# Altium PCB PCB SOM AM625.PcbDoc (part 4 of 6) (continued)
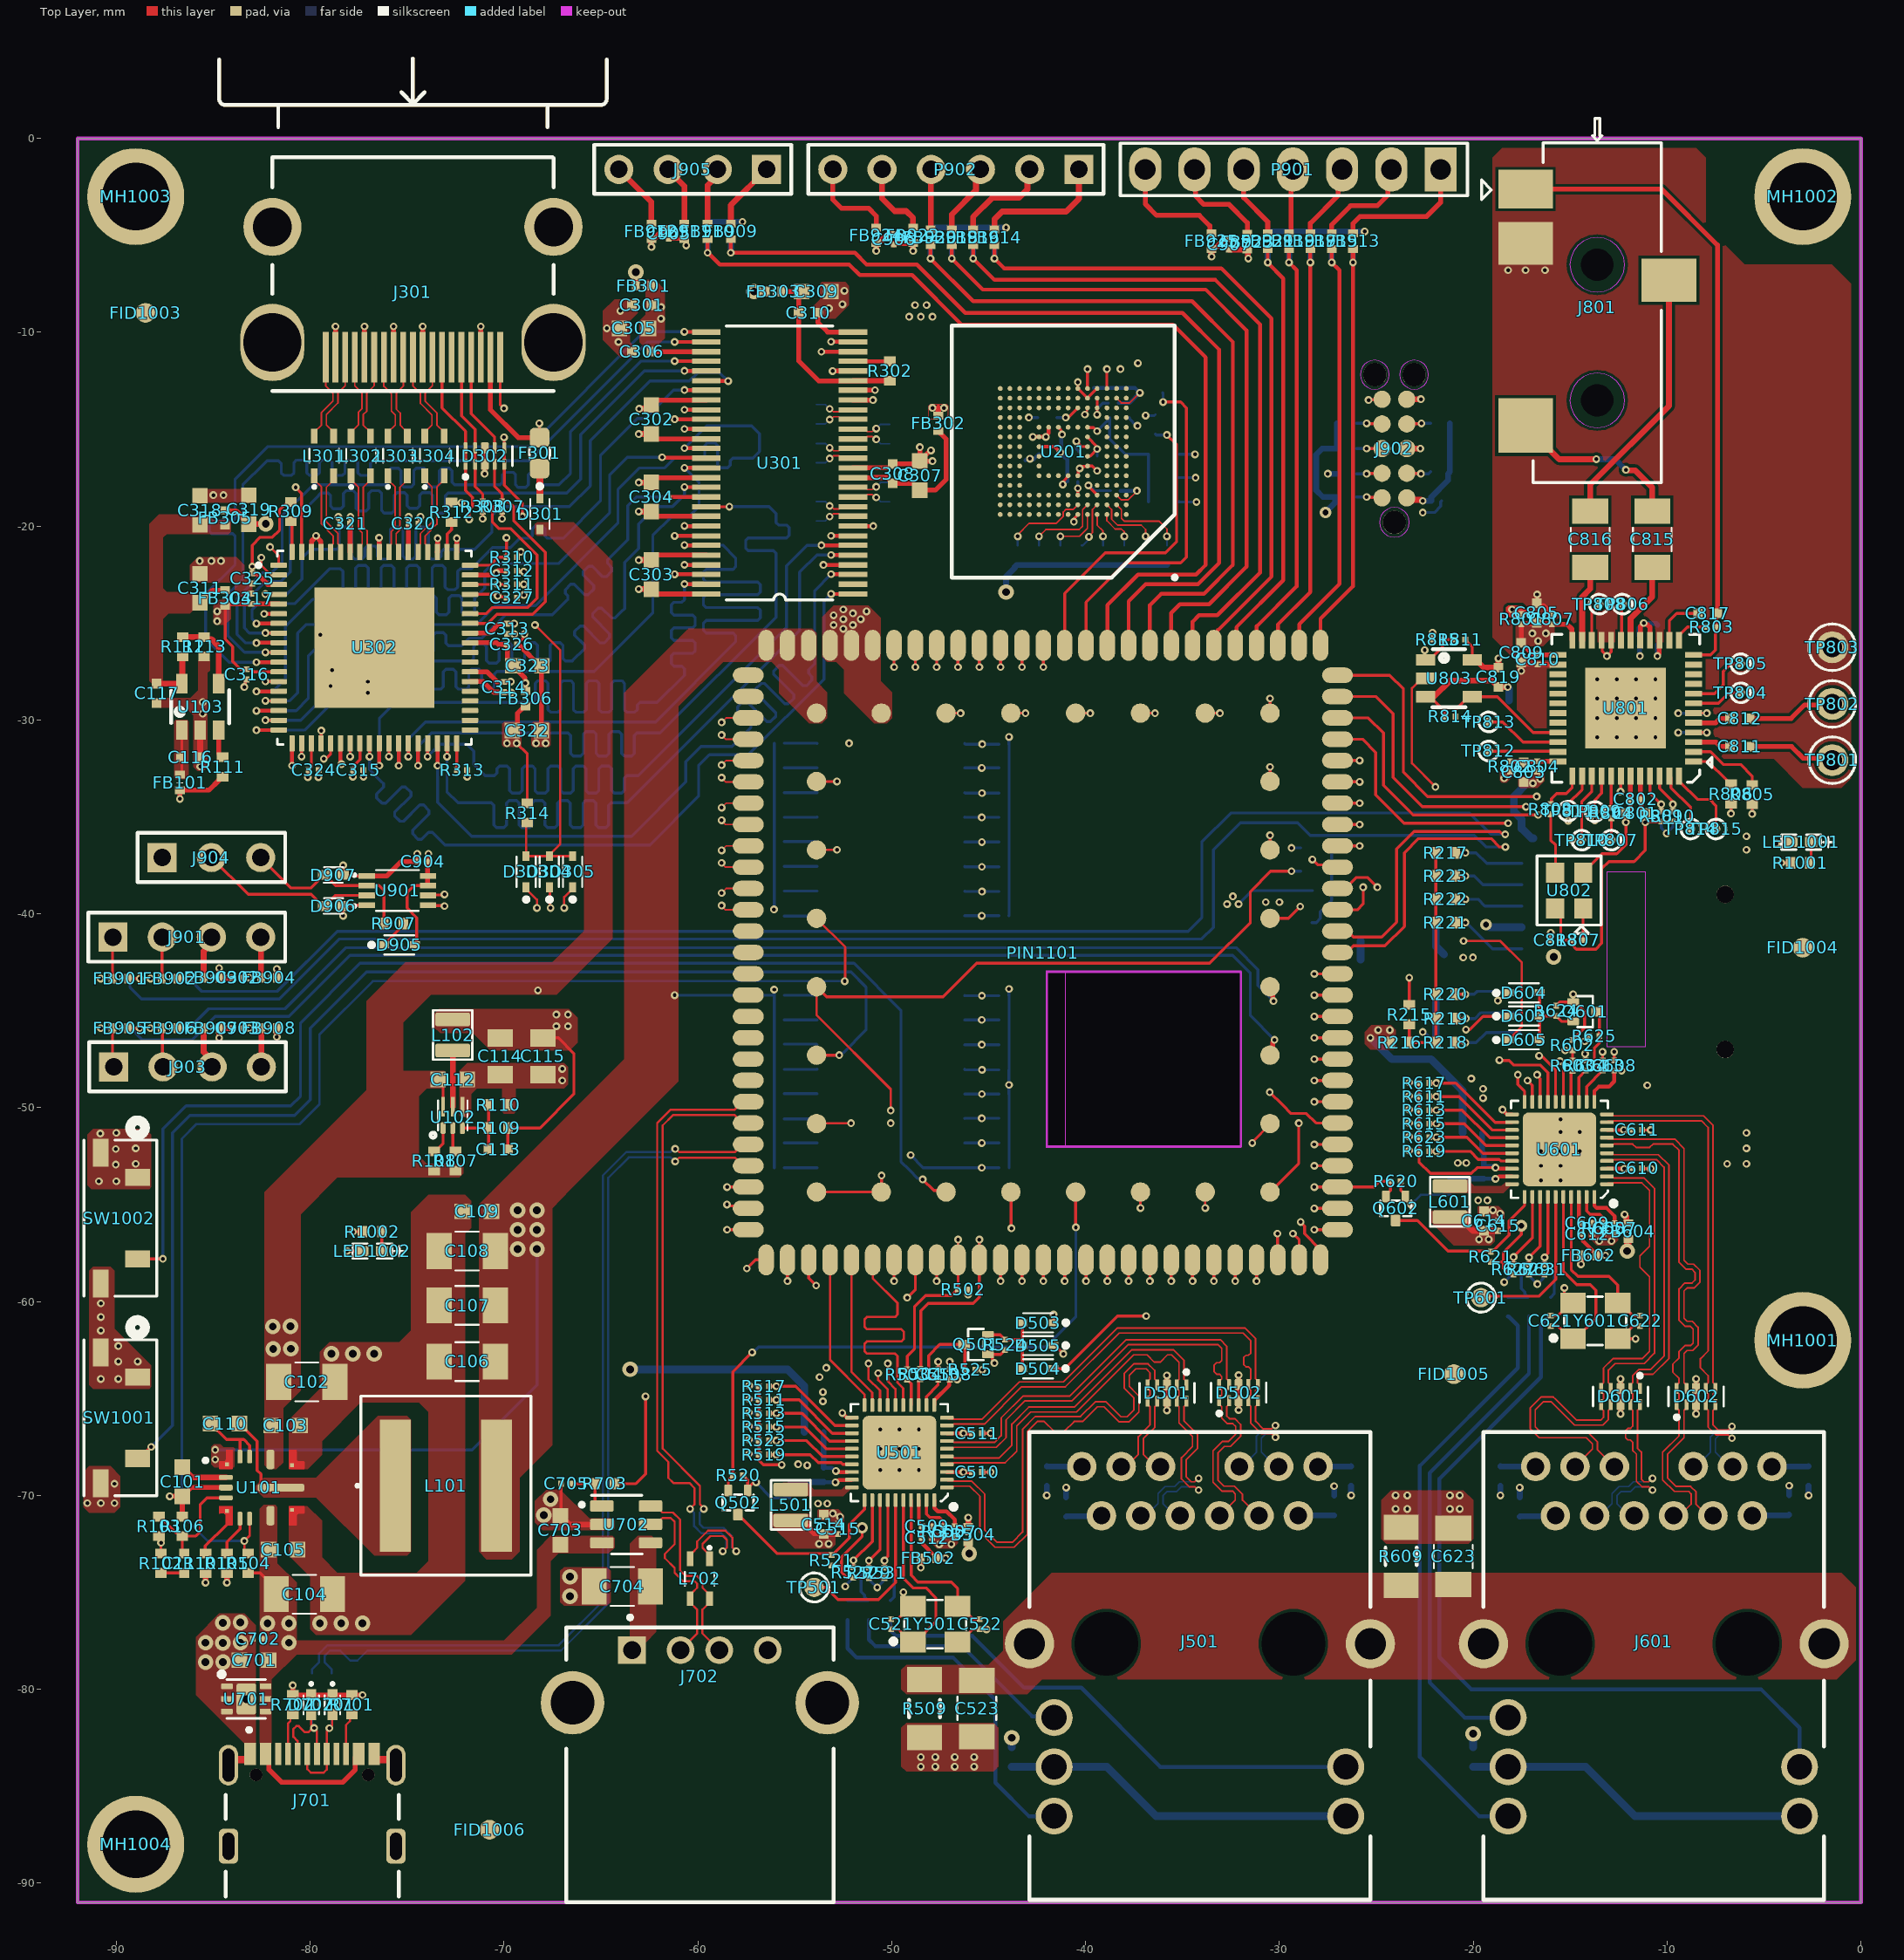
[diagram p0: Top Layer view]
## Nets (pads, with @x,y where several pads share a name; then routed paths per layer and width w, separated by ;. In a path a pad name is that pad's centre, name@x,y a point inside that pad or via, vN(x,y) a via of type N, cw(c..) or ccw(c..) an arc to the next point about the centre after c; other vN are vias at no path point) (continued)
  Bottom Layer w0.15: R507.1@-52.275,-75.425 -51.225,-75.425 R506.1@-51.4,-75.25 ; R506.1@-51.4,-75.2 -51.4,-75.15 -51.575,-74.975 -51.575,-73.97 -51.418,-73.813 -51.25,-73.813 -51.175,-73.738 v1(-51.175,-73.368)
LED1/CFG_LDO0_2: R606.1 R607.1 R628.2 R629.1 U601.33 | length 7.2
  Top Layer w0.15: R629.1@-17.12,-58.093 v1(-17.12,-57.723) -16.545,-57.148 U601.33@-16.545,-54.605
  Bottom Layer w0.15: R607.1@-18.22,-59.78 -17.17,-59.78 R606.1@-17.345,-59.605 ; R606.1@-17.345,-59.555 -17.345,-59.505 -17.52,-59.33 -17.52,-58.325 -17.363,-58.168 -17.195,-58.168 -17.12,-58.093 v1(-17.12,-57.723)
LED2/CFG_LDO1_1: R508.1 R530.2 R531.1 U501.34 | length 6.1
  Top Layer w0.15: R531.1@-50.375,-73.738 -50.375,-73.331 -50.2,-73.156 U501.34@-50.2,-70.25
  Bottom Layer w0.15: v1(-50.375,-73.368) -50.375,-73.738 -50.037,-73.738 -49.875,-73.9 R508.1@-49.875,-75.2 ; R508.1@-50.075,-75.425 -50.05,-75.425 R508.1@-49.875,-75.25
LED2/CFG_LDO1_2: R608.1 R630.2 R631.1 U601.34 | length 6.1
  Top Layer w0.15: R631.1@-16.32,-58.093 -16.32,-57.686 -16.145,-57.511 U601.34@-16.145,-54.605
  Bottom Layer w0.15: v1(-16.32,-57.723) -16.32,-58.093 -15.982,-58.093 -15.82,-58.255 R608.1@-15.82,-59.555 ; R608.1@-16.02,-59.78 -15.995,-59.78 R608.1@-15.82,-59.605
LM61460_RT: R105.2 U101.6 | length 2.1
  Top Layer w0.15: R105.2@-84.4,-73 -84.3,-72.9 -84.3,-72.4 -83.625,-71.725 U101.6@-83.625,-71.2
LM61460_SW: C110.2 L101.1 U101.10 | length 4.7
  Top Layer w0.15: C110.2@-83.65,-66.3 -82.737,-67.213 -82.737,-68.713 -82.547,-68.903 -82.547,-69.457 -82.404,-69.6 U101.10@-81.5,-69.6
LM61460_VCC: C101.1 U101.2 | length 2.5
  Top Layer w0.3: C101.1@-86.6,-68.55 -86.075,-69.075 U101.2@-84.35,-69.075
MCASP0_ACLKX: PIN1101.83 TP811.1 U801.38 | length 19.1
  Top Layer w0.15: PIN1101.83@-27,-28.794 -25.006,-28.794 -24.125,-29.675 -24.125,-32.975 -22.625,-34.475 v1(-17.275,-34.475) ; v1(-15.1,-35.2) TP811.1@-15.1,-34.7 -15.1,-34.325 -14.381,-33.606 U801.38@-14.381,-32.894
  Layer 4 w0.122: v1(-17.275,-34.475) -15.825,-34.475 v1(-15.1,-35.2)
MCASP0_AFSX: PIN1101.84 TP810.1 U801.39 | length 20.3
  Top Layer w0.15: PIN1101.84@-27,-29.894 -25.406,-29.894 -24.625,-30.675 -24.625,-33.375 -23.1,-34.9 v1(-16.65,-34.9) ; v1(-14.9,-36.2) TP810.1@-14.4,-36.2 -14.4,-34.2 -13.881,-33.681 U801.39@-13.881,-32.894
  Layer 4 w0.122: v1(-16.65,-34.9) -16.2,-34.9 v1(-14.9,-36.2)
MCASP0_AXR0: PIN1101.82 TP809.1 U801.40 | length 21.3
  Top Layer w0.15: PIN1101.82@-27,-27.694 -24.306,-27.694 -23.6,-28.4 -23.6,-32.7 -22.35,-33.95 v1(-16.725,-33.95) ; v1(-13.725,-35.175) TP809.1@-13.725,-34.725 -13.725,-34.125 -13.381,-33.781 U801.40@-13.381,-32.894
  Layer 4 w0.122: v1(-16.725,-33.95) -14.95,-33.95 v1(-13.725,-35.175)
MCASP0_AXR2: PIN1101.85 R804.1 TP807.1 | length 19.1
  Top Layer w0.15: PIN1101.85@-27,-30.994 -25.706,-30.994 -25.025,-31.675 -25.025,-33.875 -23.575,-35.325 v1(-18.2,-35.325) ; v1(-13.4,-36.2) TP807.1@-12.875,-36.2 R804.1@-12.875,-35.065
  Layer 4 w0.122: v1(-18.2,-35.325) -16.55,-35.325 -15.225,-36.65 -13.85,-36.65 v1(-13.4,-36.2)
MCU_I2C0_SCL: D904.2 FB906.2 PIN1101.127 | length 61.2
  Top Layer w0.15: FB906.2@-86.85,-45.9 v1(-86.25,-45.9)
  Top Layer w0.25: PIN1101.127@-30.485,-43.763 -30.348,-43.9 -30.348,-44.452 v1(-30.3,-44.5)
  Bottom Layer w0.15: D904.2@-86.75,-45.9 v1(-86.25,-45.9) -85.25,-44.9 -81.3,-44.9 -78.15,-41.75 -32.234,-41.75 -31.1,-42.884 -31.1,-43.7 v1(-30.3,-44.5)
MCU_I2C0_SDA: D903.2 FB905.2 PIN1101.128 | length 66.1
  Top Layer w0.15: FB905.2@-89.4,-45.9 v1(-88.8,-45.9)
  Top Layer w0.25: PIN1101.128@-30.485,-47.292 -30.341,-47.148 -30.341,-46.632 -30.25,-46.541 v1(-30.25,-46.5)
  Bottom Layer w0.15: D903.2@-89.3,-45.9 D903.2@-89.25,-45.9 ; v1(-88.8,-45.9) D903.2@-89.25,-45.9 ; v1(-30.25,-46.5) -31.5,-45.25 -31.5,-43.058 -32.408,-42.15 -77.95,-42.15 -81.1,-45.3 -84.9,-45.3 -86.1,-46.5 -88.65,-46.5 D903.2@-89.25,-45.9
MCU_MCAN0_RX: D909.2 FB910.2 PIN1101.71 | length 47.9
  Top Layer w0.2: FB910.2@-59.5,-5.2 v1(-59.5,-5.9) -59.473,-5.9 -58.873,-6.5 -52.2,-6.5 -51.65,-7.05 -48.95,-7.05 -46.4,-9.6 -35.5,-9.6 -33.8,-11.3 -33.8,-22 -34.3,-22.5 -37.3,-22.5 -38.879,-24.079 PIN1101.71@-38.879,-26.15
  Bottom Layer w0.3: v1(-59.5,-5.9) D909.2@-59.5,-5.3
MCU_MCAN0_TX: D908.2 FB909.2 PIN1101.72 | length 47.3
  Top Layer w0.2: FB909.2@-58.3,-5.2 v1(-58.3,-5.9) -51.9,-5.9 -51.3,-6.5 -48.7,-6.5 -46.2,-9 -35,-9 -33.1,-10.9 -33.1,-21.9 -34.2,-23 -36.9,-23 -37.779,-23.879 PIN1101.72@-37.779,-26.15
  Bottom Layer w0.3: v1(-58.3,-5.9) D908.2@-58.3,-5.3
MCU_PORz: PIN1101.111 SW1001.2 | length 64.7
  Top Layer w0.15: SW1001.2@-89.011,-68.1 -88.821,-68.1 -88.221,-67.5 v1(-88.2,-67.5) ; PIN1101.111@-53.879,-47.292 v1(-52.708,-47.292)
  Bottom Layer w0.15: v1(-88.2,-67.5) -87.1,-66.4 -87.1,-51.3 -86.2,-50.4 -80.8,-50.4 -80,-49.6 -80,-45.9 -77.1,-43 -52.1,-43 -51.325,-43.775 -51.325,-46 -52.512,-47.187 -52.535,-47.187 -52.64,-47.292 v1(-52.708,-47.292)
MCU_SPI0_CLK: D916.2 FB917.2 PIN1101.79 | length 21.7
  Top Layer w0.2: PIN1101.79@-30.079,-26.15 -30.079,-25.079 -28.4,-23.4 FB917.2@-28.4,-5.7
  Bottom Layer w0.3: v1(-28.4,-6.4) D916.2@-28.4,-5.8
MCU_SPI0_CS0: D914.2 FB913.2 PIN1101.81 | length 21.7
  Top Layer w0.2: PIN1101.81@-27.879,-26.15 -27.879,-24.779 -26.2,-23.1 v1(-26.2,-6.4)
  Top Layer w0.25: v1(-26.2,-6.4) FB913.2@-26.2,-5.7
  Bottom Layer w0.3: v1(-26.2,-6.4) D914.2@-26.2,-5.8
MCU_SPI0_CS1: D915.2 FB915.2 PIN1101.80 | length 22.1
  Top Layer w0.2: PIN1101.80@-28.979,-26.15 -28.979,-25.061 -26.9,-22.982 -26.9,-6.8 v1(-27.3,-6.4) FB915.2@-27.3,-5.7
  Bottom Layer w0.3: v1(-27.3,-6.4) D915.2@-27.3,-5.8
MCU_SPI0_D0: D918.2 FB921.2 PIN1101.77 | length 22.4
  Top Layer w0.2: PIN1101.77@-32.279,-26.15 -32.216,-26.088 -32.216,-25.216 -29.8,-22.8 -29.8,-7.221 -30.6,-6.421 v1(-30.6,-6.4) FB921.2@-30.6,-5.7
  Bottom Layer w0.3: v1(-30.6,-6.4) D918.2@-30.6,-5.8
MCU_SPI0_D1: D917.2 FB919.2 PIN1101.78 | length 22.1
  Top Layer w0.2: PIN1101.78@-31.179,-26.15 -31.166,-26.138 -31.166,-25.166 -29.1,-23.1 -29.1,-6.8 v1(-29.5,-6.4) FB919.2@-29.5,-5.7
  Bottom Layer w0.3: v1(-29.5,-6.4) D917.2@-29.5,-5.8
MCU_UART0_CTS: D912.2 FB918.2 PIN1101.74 | length 36.8
  Top Layer w0.2: FB918.2@-46.9,-5.5 v1(-46.9,-6.2) -45.3,-7.8 -33.8,-7.8 -31.7,-9.9 -31.7,-22.1 -33.632,-24.032 -35.132,-24.032 -35.579,-24.479 PIN1101.74@-35.579,-26.15
  Bottom Layer w0.3: v1(-46.9,-6.2) D912.2@-46.9,-5.6
MCU_UART0_RTS: D910.2 FB914.2 PIN1101.76 | length 35
  Top Layer w0.2: FB914.2@-44.7,-5.5 v1(-44.7,-6.2) -44.2,-6.7 -33,-6.7 -30.4,-9.3 -30.4,-22.6 -33.169,-25.369 -33.169,-25.378 -33.379,-25.588 PIN1101.76@-33.379,-26.15
  Bottom Layer w0.3: v1(-44.7,-6.2) D910.2@-44.7,-5.6
MCU_UART0_RXD: D913.2 FB920.2 PIN1101.73 | length 37.4
  Top Layer w0.2: FB920.2@-48,-5.5 v1(-48,-6.2) -45.8,-8.4 -34.5,-8.4 -32.4,-10.5 -32.4,-22 -33.9,-23.5 -36.1,-23.5 -36.679,-24.079 PIN1101.73@-36.679,-26.15
  Bottom Layer w0.3: v1(-48,-6.2) D913.2@-48,-5.6
MCU_UART0_TXD: D911.2 FB916.2 PIN1101.75 | length 36
  Top Layer w0.2: FB916.2@-45.8,-5.5 v1(-45.8,-6.2) -44.7,-7.3 -33.3,-7.3 -31,-9.6 -31,-22.4 -33.2,-24.6 -34.138,-24.6 -34.479,-24.94 PIN1101.75@-34.479,-26.15
  Bottom Layer w0.3: v1(-45.8,-6.2) D911.2@-45.8,-5.6
MDC_1: R504.2 U501.13 | length 1.4
  Top Layer w0.15: U501.13@-48.605,-65.345 -48.605,-64.173 -48.605,-64.085 -48.55,-64.03 R504.2@-48.5,-64.03
MDC_2: R604.2 U601.13 | length 1.8
  Top Layer w0.15: U601.13@-14.55,-49.7 -14.55,-48.44 R604.2@-14.2,-48.09
MDIO0_MDC: PIN1101.17 R504.1 R604.1 | length 54.2
  Top Layer w0.15: R504.1@-48.5,-63.5 -48.5,-60.475 -48.125,-60.1 -45.8,-60.1 -45.479,-59.779 PIN1101.17@-45.479,-57.85 v1(-45.479,-56.804) ; v1(-14.225,-47.225) -14.213,-47.237 -14.213,-47.547 R604.1@-14.2,-47.56
  Layer 3 w0.122: v1(-45.479,-56.804) -46.375,-57.7 -47,-57.7 -47.25,-57.45 -47.25,-56.196 -46.654,-55.6 -39.325,-55.6 -38.625,-56.3 -31.475,-56.3 -28.75,-53.575 -26.1,-53.575 -25.25,-52.725 -25.25,-48.025 -24.325,-47.1 -19.95,-47.1 -18.925,-46.075 -15.375,-46.075 v1(-14.225,-47.225)
MDIO0_MDIO: PIN1101.18 R502.1 R503.1 R602.1 R603.1 | length 48.8
  Top Layer w0.15: R503.1@-49.2,-63.5 -49.2,-62.825 -48.825,-62.45 -48.825,-60.275 -48.25,-59.7 -46.925,-59.7 -46.675,-59.45 -46.665,-59.45 R502.1@-46.59,-59.375 ; PIN1101.18@-46.579,-57.85 PIN1101.18@-46.575,-57.854 ; R502.1@-46.575,-59.275 PIN1101.18@-46.575,-57.854 ; v1(-46.575,-56.808) PIN1101.18@-46.575,-57.854 ; v1@-15.375,-47.05 v1@-15.37,-47.045 ; v1@-15.245,-47.045 -14.88,-47.045 R602.1@-14.875,-47.04 R603.1@-14.875,-47.575
  Layer 3 w0.122: v1(-46.575,-56.808) -46.021,-56.254 -44.746,-56.254 -44.325,-56.675 -31.2,-56.675 -29.25,-54.725 -25.9,-54.725 -24.875,-53.7 -24.875,-48.275 -24,-47.4 -19.675,-47.4 -18.7,-46.425 -15.875,-46.425 v1(-15.25,-47.05)
MDIO10_N: D501.4 D501.7 J501.10 U501.2 | length 28.6
  Top Layer w0.084: U501.2@-47.155,-69.195 -47.102,-69.248 -46.818,-69.248 -46.798,-69.268 -45.87,-69.268 -45.196,-69.942 -45.196,-71.795 -44.57,-72.421 -43.78,-72.421 -43.25,-71.891 -43.25,-66.591 -42.593,-65.934 -40.259,-65.934 -39.5,-65.175 -38.941,-65.175 -38.17,-65.946 -37.855,-65.946 -37.504,-65.595 -37.504,-64.98 -37.926,-64.559 -38,-64.484 -38,-63.7 -37.521,-63.221 -36.77,-63.221 -36.495,-63.495 -36.421,-63.57 -36.421,-63.89 -36.423,-63.892 -36.423,-64.01 -36.374,-64.059 -36.358,-64.059 -36.3,-64.117 D501.4@-36.3,-64.3 -36.3,-64.483 -36.358,-64.541 -36.374,-64.541 -36.423,-64.59 -36.423,-64.845 -36.374,-64.894 -36.358,-64.894 -36.3,-64.952 D501.7@-36.3,-65.135 -36.3,-65.318 -36.358,-65.376 -36.374,-65.376 -36.423,-65.425 -36.423,-66.482 -37.021,-67.08 -37.021,-67.879 -36.387,-68.513 J501.10@-36.132,-68.513
MDIO10_P: D501.5 D501.6 J501.11 U501.1 | length 28.6
  Top Layer w0.084: U501.1@-47.155,-69.595 -47.102,-69.542 -46.818,-69.542 -46.798,-69.522 -45.975,-69.522 -45.45,-70.047 -45.45,-71.9 -44.675,-72.675 -43.675,-72.675 -42.996,-71.996 -42.996,-69.071 -42.996,-66.696 -42.488,-66.188 -42.137,-66.188 -41.625,-66.7 -41.1,-66.7 -40.588,-66.188 -40.154,-66.188 -39.395,-65.429 -39.046,-65.429 -38.275,-66.2 -37.75,-66.2 -37.25,-65.7 -37.25,-64.875 -37.35,-64.775 -37.746,-64.379 -37.746,-63.805 -37.416,-63.475 -36.875,-63.475 -36.675,-63.675 -36.675,-63.785 -36.677,-63.787 -36.677,-64.01 -36.726,-64.059 -36.742,-64.059 -36.8,-64.117 D501.5@-36.8,-64.3 -36.8,-64.483 -36.742,-64.541 -36.726,-64.541 -36.677,-64.59 -36.677,-64.845 -36.726,-64.894 -36.742,-64.894 -36.8,-64.952 D501.6@-36.8,-65.135 -36.8,-65.318 -36.742,-65.376 -36.726,-65.376 -36.677,-65.425 -36.677,-66.377 -37.275,-66.975 -37.275,-67.875 -37.913,-68.513 J501.11@-38.164,-68.513
MDIO11_N: D501.1 D501.10 J501.5 U501.5 | length 27.1
  Top Layer w0.084: U501.5@-47.155,-67.995 -47.102,-68.048 -46.818,-68.048 -46.798,-68.068 -44.452,-68.068 -43.804,-67.42 -43.804,-66.32 -42.93,-65.446 -40.58,-65.446 -37.634,-62.5 -35.45,-62.5 -34.923,-63.027 -34.923,-64.01 -34.874,-64.059 -34.858,-64.059 -34.8,-64.117 D501.1@-34.8,-64.3 -34.8,-64.483 -34.858,-64.541 -34.874,-64.541 -34.923,-64.59 -34.923,-64.845 -34.874,-64.894 -34.858,-64.894 -34.8,-64.952 D501.10@-34.8,-65.135 -34.8,-65.318 -34.858,-65.376 -34.874,-65.376 -34.923,-65.425 -34.923,-66.152 -34.225,-66.85 -34.225,-67.584 -34.8,-68.159 -34.8,-69.048 -34.55,-69.298 -34.376,-69.298 -34.203,-69.125 v1(-34.168,-69.125)
  Bottom Layer w0.084: J501.5@-37.148,-71.053 -36.878,-71.053 -36.259,-70.434 -36.259,-69.915 -35.889,-69.544 -35.397,-69.544 -35.151,-69.298 -34.376,-69.298 -34.203,-69.125 v1(-34.168,-69.125)
MDIO11_P: D501.2 D501.9 J501.4 U501.4 | length 27.1
  Top Layer w0.084: U501.4@-47.155,-68.395 -47.102,-68.342 -46.818,-68.342 -46.798,-68.322 -44.147,-68.322 -43.55,-67.725 -43.55,-66.425 -42.825,-65.7 -40.475,-65.7 -37.529,-62.754 -36.821,-62.754 -36.45,-63.125 -36.146,-63.125 -35.775,-62.754 -35.555,-62.754 -35.177,-63.132 -35.177,-64.01 -35.226,-64.059 -35.242,-64.059 -35.3,-64.117 D501.2@-35.3,-64.3 -35.3,-64.483 -35.242,-64.541 -35.226,-64.541 -35.177,-64.59 -35.177,-64.845 -35.226,-64.894 -35.242,-64.894 -35.3,-64.952 D501.9@-35.3,-65.135 -35.3,-65.318 -35.242,-65.376 -35.226,-65.376 -35.177,-65.425 -35.177,-66.257 -34.479,-66.955 -34.479,-67.479 -35.054,-68.054 -35.054,-69.153 -34.655,-69.552 -34.376,-69.552 -34.203,-69.725 v1(-34.168,-69.725)
  Bottom Layer w0.084: J501.4@-35.116,-71.053 -35.386,-71.053 -36.005,-70.434 -36.005,-70.02 -35.784,-69.798 -35.292,-69.798 -35.045,-69.552 -34.376,-69.552 -34.203,-69.725 v1(-34.168,-69.725)
MDIO12_N: D502.2 D502.9 J501.2 U501.7 | length 28.7
  Top Layer w0.084: U501.7@-47.155,-67.195 -47.102,-67.248 -46.818,-67.248 -46.798,-67.268 -44.702,-67.268 -44.354,-66.92 -44.354,-66.004 -43.221,-64.871 -40.805,-64.871 -37.909,-61.975 -33.05,-61.975 -32.723,-62.302 -32.723,-63.993 -32.674,-64.042 -32.658,-64.042 -32.6,-64.1 D502.9@-32.6,-64.283 -32.6,-64.465 -32.658,-64.523 -32.674,-64.523 -32.723,-64.572 -32.723,-64.828 -32.674,-64.877 -32.658,-64.877 -32.6,-64.935 D502.2@-32.6,-65.117 -32.6,-65.3 -32.721,-65.421 -32.721,-65.9 -32.575,-66.046 -32.295,-66.046 -32,-66.341 -32,-66.95 -32.525,-67.475 -32.841,-67.475 -33.171,-67.805 -33.171,-69.22 -32.866,-69.525 -32.316,-69.525 -31.899,-69.942 -31.899,-70.251 -31.097,-71.053 J501.2@-31.052,-71.053
MDIO12_P: D502.1 D502.10 J501.3 U501.6 | length 28.6
  Top Layer w0.084: U501.6@-47.155,-67.595 -47.102,-67.542 -46.818,-67.542 -46.798,-67.522 -44.597,-67.522 -44.1,-67.025 -44.1,-66.109 -43.116,-65.125 -40.7,-65.125 -37.804,-62.229 -33.155,-62.229 -32.977,-62.407 -32.977,-63.041 -33.095,-63.159 -33.243,-63.159 -33.361,-63.278 -33.361,-63.633 -33.243,-63.751 -33.095,-63.751 -32.977,-63.87 -32.977,-63.938 -32.977,-63.993 -33.026,-64.042 -33.042,-64.042 -33.1,-64.1 D502.10@-33.1,-64.283 -33.1,-64.465 -33.042,-64.523 -33.026,-64.523 -32.977,-64.572 -32.977,-64.828 -33.026,-64.877 -33.042,-64.877 -33.1,-64.935 D502.1@-33.1,-65.117 -33.1,-65.3 -32.975,-65.425 -32.975,-66.005 -32.68,-66.3 -32.4,-66.3 -32.254,-66.446 -32.254,-66.845 -32.63,-67.221 -32.946,-67.221 -33.425,-67.7 -33.425,-69.325 -32.971,-69.779 -32.421,-69.779 -32.275,-69.925 -32.275,-70.244 J501.3@-33.084,-71.053
MDIO13_N: D502.5 D502.6 J501.9 U501.10 | length 27.1
  Top Layer w0.084: U501.10@-47.155,-65.995 -47.102,-66.048 -46.818,-66.048 -46.798,-66.068 -45.327,-66.068 -43.405,-64.146 -41.146,-64.146 -38.371,-61.371 -31.77,-61.371 -31.223,-61.918 -31.223,-63.993 -31.174,-64.042 -31.158,-64.042 -31.1,-64.1 D502.6@-31.1,-64.283 -31.1,-64.465 -31.158,-64.523 -31.174,-64.523 -31.223,-64.572 -31.223,-64.828 -31.174,-64.877 -31.158,-64.877 -31.1,-64.935 D502.5@-31.1,-65.117 -31.1,-65.3 -31.158,-65.358 -31.174,-65.358 -31.223,-65.407 -31.223,-66.177 -30.827,-66.573 -30.407,-66.573 -30.234,-66.4 v1(-30.2,-66.4)
  Bottom Layer w0.084: J501.9@-32.068,-68.513 -31.931,-68.513 -31.179,-67.761 -31.179,-66.947 -30.805,-66.573 -30.407,-66.573 -30.234,-66.4 v1(-30.2,-66.4)
MDIO13_P: D502.4 D502.7 J501.8 U501.9 | length 27.2
  Top Layer w0.084: U501.9@-47.155,-66.395 -47.102,-66.342 -46.818,-66.342 -46.798,-66.322 -45.222,-66.322 -43.3,-64.4 -41.041,-64.4 -38.266,-61.625 -31.875,-61.625 -31.477,-62.023 -31.477,-62.657 -31.595,-62.775 -31.725,-62.775 -31.843,-62.893 -31.843,-63.249 -31.725,-63.367 -31.595,-63.367 -31.477,-63.485 -31.477,-63.574 -31.477,-63.993 -31.526,-64.042 -31.542,-64.042 -31.6,-64.1 D502.7@-31.6,-64.283 -31.6,-64.465 -31.542,-64.523 -31.526,-64.523 -31.477,-64.572 -31.477,-64.828 -31.526,-64.877 -31.542,-64.877 -31.6,-64.935 D502.4@-31.6,-65.117 -31.6,-65.3 -31.542,-65.358 -31.526,-65.358 -31.477,-65.407 -31.477,-66.282 -30.932,-66.827 -30.407,-66.827 -30.234,-67 v1(-30.2,-67)
  Bottom Layer w0.084: v1(-30.2,-67) -30.234,-67 -30.407,-66.827 -30.7,-66.827 -30.925,-67.052 -30.925,-67.768 -30.18,-68.513 J501.8@-30.036,-68.513
MDIO20_N: D601.4 D601.7 J601.10 U601.2 | length 27.3
  Top Layer w0.084: U601.2@-13.1,-53.55 -13.047,-53.603 -12.763,-53.603 -12.743,-53.623 -11.193,-53.623 -10.72,-54.095 -10.646,-54.17 -10.646,-62.671 -11.175,-63.2 -12.691,-63.2 -13.023,-63.532 -13.023,-64.193 -12.974,-64.242 -12.958,-64.242 -12.9,-64.3 D601.4@-12.9,-64.482 -12.9,-64.665 -12.958,-64.723 -12.974,-64.723 -13.023,-64.772 -13.023,-65.028 -12.974,-65.077 -12.958,-65.077 -12.9,-65.135 D601.7@-12.9,-65.317 -12.9,-65.5 -12.958,-65.558 -12.974,-65.558 -13.023,-65.607 -13.023,-66.082 -13.316,-66.375 -14.775,-66.375 -15.971,-65.179 -16.395,-65.179 -16.796,-65.58 -16.796,-66.47 -16.491,-66.775 -14.05,-66.775 -13.596,-67.229 -13.596,-67.631 J601.10@-12.714,-68.513
MDIO20_P: D601.5 D601.6 J601.11 U601.1 | length 27.3
  Top Layer w0.084: J601.11@-14.746,-68.513 -13.85,-67.617 -13.85,-67.334 -14.155,-67.029 -16.596,-67.029 -17.05,-66.575 -17.05,-65.475 -16.5,-64.925 -15.866,-64.925 -15.77,-65.02 -15.591,-65.2 -14.67,-66.121 -13.421,-66.121 -13.277,-65.977 -13.277,-65.623 -13.4,-65.5 D601.6@-13.4,-65.317 -13.4,-65.135 -13.342,-65.077 -13.326,-65.077 -13.277,-65.028 -13.277,-64.772 -13.326,-64.723 -13.342,-64.723 -13.4,-64.665 D601.5@-13.4,-64.482 -13.4,-64.3 -13.342,-64.242 -13.326,-64.242 -13.277,-64.193 -13.277,-63.427 -12.796,-62.946 -11.28,-62.946 -10.9,-62.566 -10.9,-58.725 -11.4,-58.225 -11.4,-57.65 -10.9,-57.15 -10.9,-54.275 -11.298,-53.877 -12.743,-53.877 -12.763,-53.897 -13.047,-53.897 U601.1@-13.1,-53.95
MDIO21_N: D601.1 D601.10 J601.5 U601.5 | length 25.8
  Top Layer w0.084: U601.5@-13.1,-52.35 -13.047,-52.403 -12.763,-52.403 -12.743,-52.423 -10.443,-52.423 -9.9,-52.966 -9.9,-62.925 -10.729,-63.754 -11.345,-63.754 -11.523,-63.932 -11.523,-64.193 -11.474,-64.242 -11.458,-64.242 -11.4,-64.3 D601.1@-11.4,-64.482 -11.4,-64.665 -11.458,-64.723 -11.474,-64.723 -11.523,-64.772 -11.523,-65.028 -11.474,-65.077 -11.458,-65.077 -11.4,-65.135 D601.10@-11.4,-65.317 -11.4,-65.5 -11.458,-65.558 -11.474,-65.558 -11.523,-65.607 -11.523,-67.568 -11.325,-67.766 -11.325,-69.166 -11.191,-69.3 -10.957,-69.3 -10.782,-69.125 v1(-10.75,-69.125)
  Bottom Layer w0.084: J601.5@-13.73,-71.053 -13.46,-71.053 -12.841,-70.434 -12.841,-69.915 -12.47,-69.544 -11.979,-69.544 -11.732,-69.298 -10.957,-69.298 -10.784,-69.125 v1(-10.75,-69.125)
MDIO21_P: D601.2 D601.9 J601.4 U601.4 | length 25.8
  Top Layer w0.084: U601.4@-13.1,-52.75 -13.047,-52.697 -12.763,-52.697 -12.743,-52.677 -10.548,-52.677 -10.154,-53.071 -10.154,-62.82 -10.834,-63.5 -11.45,-63.5 -11.777,-63.827 -11.777,-64.193 -11.826,-64.242 -11.842,-64.242 -11.9,-64.3 D601.2@-11.9,-64.482 -11.9,-64.665 -11.842,-64.723 -11.826,-64.723 -11.777,-64.772 -11.777,-65.028 -11.826,-65.077 -11.842,-65.077 -11.9,-65.135 D601.9@-11.9,-65.317 -11.9,-65.5 -11.842,-65.558 -11.826,-65.558 -11.777,-65.607 -11.777,-66.025 -11.777,-66.431 -11.895,-66.549 -12.025,-66.549 -12.143,-66.668 -12.143,-67.023 -12.025,-67.141 -11.895,-67.141 -11.777,-67.259 -11.777,-67.301 -11.777,-67.673 -11.579,-67.871 -11.579,-69.271 -11.296,-69.554 -10.957,-69.554 -10.786,-69.725 v1(-10.75,-69.725)
  Bottom Layer w0.084: J601.4@-11.698,-71.053 -11.968,-71.053 -12.587,-70.434 -12.587,-70.02 -12.365,-69.798 -11.873,-69.798 -11.627,-69.552 -10.957,-69.552 -10.784,-69.725 v1(-10.75,-69.725)
MDIO22_N: D602.2 D602.9 J601.2 U601.7 | length 27.3
  Top Layer w0.084: U601.7@-13.1,-51.55 -13.047,-51.603 -12.763,-51.603 -12.743,-51.623 -9.602,-51.623 -9.123,-52.102 -9.123,-57.875 -8.923,-58.075 -8.625,-58.075 -8.3,-58.4 -8.3,-59 -8.604,-59.304 -8.97,-59.304 -9.123,-59.457 -9.123,-60.868 -8.97,-61.021 -8.704,-61.021 -8.4,-61.325 -8.4,-62.25 -8.675,-62.525 -8.966,-62.525 -9.123,-62.682 -9.123,-64.193 -9.074,-64.242 -9.058,-64.242 -9,-64.3 D602.9@-9,-64.482 -9,-64.665 -9.058,-64.723 -9.074,-64.723 -9.123,-64.772 -9.123,-65.028 -9.074,-65.077 -9.058,-65.077 -9,-65.135 D602.2@-9,-65.317 -9,-65.5 -9.058,-65.558 -9.074,-65.558 -9.123,-65.607 -9.123,-67.032 -9.971,-67.88 -9.971,-69.095 -9.525,-69.541 -8.783,-69.541 -8.505,-69.819 -8.505,-70.47 -7.922,-71.053 J601.2@-7.634,-71.053
MDIO22_P: D602.1 D602.10 J601.3 U601.6 | length 27.3
  Top Layer w0.084: U601.6@-13.1,-51.95 -13.047,-51.897 -12.763,-51.897 -12.743,-51.877 -11.773,-51.877 -11.6,-52.05 -10.898,-52.05 -10.725,-51.877 -9.707,-51.877 -9.377,-52.207 -9.377,-57.98 -9.028,-58.329 -8.73,-58.329 -8.554,-58.505 -8.554,-58.895 -8.709,-59.05 -9.075,-59.05 -9.377,-59.352 -9.377,-60.973 -9.075,-61.275 -8.809,-61.275 -8.654,-61.43 -8.654,-62.145 -8.78,-62.271 -9.071,-62.271 -9.377,-62.577 -9.377,-62.902 -9.7,-63.225 -9.7,-63.65 -9.377,-63.973 -9.377,-64.193 -9.426,-64.242 -9.442,-64.242 -9.5,-64.3 D602.10@-9.5,-64.482 -9.5,-64.665 -9.442,-64.723 -9.426,-64.723 -9.377,-64.772 -9.377,-65.028 -9.426,-65.077 -9.442,-65.077 -9.5,-65.135 D602.1@-9.5,-65.317 -9.5,-65.5 -9.442,-65.558 -9.426,-65.558 -9.377,-65.607 -9.377,-66.927 -10.225,-67.775 -10.225,-69.2 -9.63,-69.795 -8.888,-69.795 -8.759,-69.924 -8.759,-70.459 -9.353,-71.053 J601.3@-9.666,-71.053
MDIO23_N: D602.5 D602.6 J601.9 U601.10 | length 25.9
  Top Layer w0.084: U601.10@-13.1,-50.35 -13.047,-50.403 -12.763,-50.403 -12.743,-50.423 -8.118,-50.423 -7.623,-50.918 -7.623,-64.193 -7.574,-64.242 -7.558,-64.242 -7.5,-64.3 D602.6@-7.5,-64.482 -7.5,-64.665 -7.558,-64.723 -7.574,-64.723 -7.623,-64.772 -7.623,-65.028 -7.574,-65.077 -7.558,-65.077 -7.5,-65.135 D602.5@-7.5,-65.317 -7.5,-65.5 -7.558,-65.558 -7.574,-65.558 -7.623,-65.607 -7.623,-66.377 -7.377,-66.623 -6.857,-66.623 -6.684,-66.45 v1(-6.65,-66.45)
  Bottom Layer w0.084: J601.9@-8.65,-68.513 -8.513,-68.513 -7.761,-67.761 -7.761,-66.979 -7.407,-66.625 -6.857,-66.625 -6.682,-66.45 v1(-6.65,-66.45)
MDIO23_P: D602.4 D602.7 J601.8 U601.9 | length 25.8
  Top Layer w0.084: U601.9@-13.1,-50.75 -13.047,-50.697 -12.763,-50.697 -12.743,-50.677 -8.223,-50.677 -7.877,-51.023 -7.877,-62.552 -8.275,-62.95 -8.275,-63.427 -7.877,-63.825 -7.877,-64.193 -7.926,-64.242 -7.942,-64.242 -8,-64.3 D602.7@-8,-64.482 -8,-64.665 -7.942,-64.723 -7.926,-64.723 -7.877,-64.772 -7.877,-65.028 -7.926,-65.077 -7.942,-65.077 -8,-65.135 D602.4@-8,-65.317 -8,-65.5 -7.942,-65.558 -7.926,-65.558 -7.877,-65.607 -7.877,-66.482 -7.482,-66.877 -6.857,-66.877 -6.684,-67.05 v1(-6.65,-67.05)
  Bottom Layer w0.084: v1(-6.65,-67.05) -6.686,-67.05 -6.857,-66.879 -7.302,-66.879 -7.507,-67.084 -7.507,-67.768 -6.762,-68.513 J601.8@-6.618,-68.513
MDIO_1: R503.2 U501.14 | length 1.4
  Top Layer w0.15: R503.2@-49.2,-64.03 -49,-64.23 U501.14@-49,-65.35
MDIO_2: R603.2 U601.14 | length 1.7
  Top Layer w0.15: U601.14@-14.95,-49.7 -14.95,-48.18 R603.2@-14.875,-48.105 ; R603.2@-14.87,-48.11 R603.2@-14.825,-48.155
MFP0: R809.1 R812.2 U801.45 | length 2.4
  Top Layer w0.15: U801.45@-10.881,-32.894 -10.881,-33.769 v1(-10.3,-34.35) R809.1@-10.3,-34.71
  Bottom Layer w0.15: R812.2@-10.3,-34.71 v1(-10.3,-34.35)
MFP1: R810.1 R813.2 U801.46 | length 2.5
  Top Layer w0.15: U801.46@-10.381,-32.894 -10.381,-33.519 -9.748,-34.152 -9.748,-34.302 v1(-9.7,-34.35) R810.1@-9.7,-34.71
  Bottom Layer w0.15: R813.2@-9.7,-34.71 v1(-9.7,-34.35)
MFP2: TP814.1 U801.47 | length 3.2
  Top Layer w0.15: U801.47@-9.881,-32.894 -9.804,-32.971 -9.804,-33.496 -8.775,-34.525 TP814.1@-8.775,-35.625
MFP3: TP815.1 U801.48 | length 3.9
  Top Layer w0.15: U801.48@-9.381,-32.894 -9.381,-33.173 -9.304,-33.25 -9.275,-33.25 -8.425,-34.1 -7.8,-34.1 -7.475,-34.425 TP815.1@-7.475,-35.625
MIC_IN: C817.1 J801.1 R803.1 U801.12 | length 33.3
  Top Layer w0.15: U801.12@-8.631,-26.643 -7.743,-26.643 -7.5,-26.4 -7.5,-25.265 R803.1@-7.435,-25.2 -7.435,-24.535 C817.1@-7.4,-24.5
  Top Layer w0.25: J801.1@-17.3,-2.615 -10.285,-2.615 -7.4,-5.5 C817.1@-7.4,-24.5
MMC1_CLK: D210.2 J201.5 PIN1101.88 R221.1 | length 19.2
  Top Layer w0.15: PIN1101.88@-27,-34.294 v1(-25.856,-34.294) ; R221.1@-20.925,-40.45 v1(-20.4,-40.45)
  Layer 4 w0.122: v1(-25.856,-34.294) -24.9,-34.294 -24.6,-34.594 -24.6,-34.9 -24.6,-34.961 -24.474,-35.087 -24.062,-35.087 -23.936,-35.213 -23.936,-35.591 -24.062,-35.717 -24.474,-35.717 -24.6,-35.843 -24.6,-35.957 -24.6,-36.3 -24.2,-36.7 -23.6,-36.7 -22.9,-37.4 -20.2,-37.4 -19.925,-37.675 -19.925,-38.383 -19.925,-38.444 -19.799,-38.57 -19.291,-38.57 -19.165,-38.696 -19.165,-39.074 -19.291,-39.2 -19.799,-39.2 -19.925,-39.326 -19.925,-39.812 -19.925,-39.975 v1(-20.4,-40.45)
  Bottom Layer w0.15: D210.2@-20.925,-40.45 v1(-20.4,-40.45) -20.35,-40.45 -19,-41.8 J201.5@-17.5,-41.8
MMC1_CMD: D209.2 J201.3 PIN1101.89 R220.1 | length 19.2
  Top Layer w0.15: PIN1101.89@-27,-35.394 v1(-25.856,-35.394) ; R220.1@-20.925,-44.15 v1(-20.4,-44.15)
  Layer 4 w0.122: v1(-25.856,-35.394) -26.35,-35.888 -26.35,-37.75 -25.975,-38.125 -24.8,-38.125 -24.362,-38.562 -24.362,-43.538 -23.75,-44.15 v1(-20.4,-44.15)
  Bottom Layer w0.15: D209.2@-20.925,-44.15 -19.95,-44.15 -19.8,-44 J201.3@-17.5,-44
MMC1_D0: D211.2 J201.7 PIN1101.90 R222.1 | length 19.3
  Top Layer w0.15: PIN1101.90@-27,-36.494 v1(-25.856,-36.494) ; R222.1@-20.925,-39.25 v1(-20.4,-39.25)
  Layer 4 w0.122: v1(-25.856,-36.494) -25.856,-37.394 -25.625,-37.625 -24.575,-37.625 -23.7,-38.5 -23.7,-42.4 -23.3,-42.8 -22.5,-42.8 -22.1,-42.4 -22.1,-39.55 -21.8,-39.25 v1(-20.4,-39.25)
  Bottom Layer w0.15: D211.2@-20.925,-39.25 -19.75,-39.25 -19.4,-39.6 J201.7@-17.5,-39.6
MMC1_D1: D212.2 J201.8 PIN1101.91 R223.1 | length 19.2
  Top Layer w0.15: v1(-28.3,-37.2) -28.025,-37.475 -27.119,-37.475 PIN1101.91@-27,-37.594 ; R223.1@-20.925,-38.05 v1(-20.4,-38.05)
  Layer 4 w0.122: v1(-28.3,-37.2) -28.3,-35.4 -27.8,-34.9 -25.4,-34.9 -25.1,-35.2 -25.1,-36.8 -24.8,-37.1 -24.4,-37.1 -23.504,-37.996 -23.45,-38.05 -22.814,-38.05 -22.688,-38.176 -22.688,-38.821 -22.562,-38.947 -22.184,-38.947 -22.058,-38.821 -22.058,-38.176 -21.932,-38.05 -21.494,-38.05 v1(-20.4,-38.05)
  Bottom Layer w0.15: D212.2@-20.925,-38.05 -19.95,-38.05 -19.5,-38.5 J201.8@-17.5,-38.5
MMC1_D2: D207.2 J201.1 PIN1101.92 R218.1 | length 19.2
  Top Layer w0.15: PIN1101.92@-27,-38.694 -26.6,-38.694 -26.031,-38.125 -25.45,-38.125 v1(-24.95,-38.625) ; R218.1@-20.925,-46.65 v1(-20.4,-46.65)
  Layer 4 w0.122: v1(-24.95,-38.625) -24.95,-43.85 -24,-44.8 -20.275,-44.8 -19.85,-45.225 -19.85,-46.1 v1(-20.4,-46.65)
  Bottom Layer w0.15: D207.2@-20.925,-46.65 v1(-20.4,-46.65) -19.85,-46.65 -19.325,-46.125 -17.575,-46.125 J201.1@-17.5,-46.2
MMC1_D3: D208.2 J201.2 PIN1101.93 R219.1 | length 19.2
  Top Layer w0.15: PIN1101.93@-27,-39.794 -25.975,-39.794 -25.675,-39.494 v1(-25.675,-38.625) ; R219.1@-20.9,-45.4 v1(-20.375,-45.4)
  Layer 4 w0.122: v1(-25.675,-38.625) -25.675,-40 -25.675,-40.463 -25.801,-40.589 -26.235,-40.589 -26.361,-40.715 -26.361,-41.093 -26.235,-41.219 -25.801,-41.219 -25.675,-41.345 -25.675,-41.406 -25.675,-44.925 -25.2,-45.4 v1(-20.375,-45.4)
  Bottom Layer w0.15: D208.2@-20.9,-45.4 -19.9,-45.4 -19.6,-45.1 J201.2@-17.5,-45.1
MMC1_SDCD: D206.2 J201.9 PIN1101.86 R217.1 | length 19.3
  Top Layer w0.15: PIN1101.86@-27,-32.094 v1(-25.856,-32.094) ; R217.1@-20.925,-36.85 v1(-20.4,-36.85)
  Layer 4 w0.122: v1(-25.856,-32.094) -23.806,-32.094 -23.5,-32.4 -23.5,-33.2 -23.5,-33.261 -23.374,-33.387 -22.794,-33.387 -22.668,-33.513 -22.668,-33.891 -22.794,-34.017 -23.378,-34.017 -23.504,-34.143 -23.504,-34.521 -23.378,-34.647 -22.794,-34.647 -22.668,-34.773 -22.668,-35.151 -22.794,-35.277 -23.374,-35.277 -23.5,-35.403 -23.5,-35.795 -23.5,-36 -22.65,-36.85 -22.046,-36.85 -21.985,-36.85 -21.859,-36.724 -21.859,-35.987 -21.733,-35.861 -21.355,-35.861 -21.229,-35.987 -21.229,-36.724 -21.103,-36.85 -20.85,-36.85 v1(-20.4,-36.85)
  Bottom Layer w0.15: D206.2@-20.925,-36.85 -19.85,-36.85 -19.3,-37.4 J201.9@-17.5,-37.4
NetC111_1: C111.1 R102.1 | length 1.2
  Top Layer w0.15: R102.1@-87.7,-74 C111.1@-86.5,-74